# Altium PCB LimeSDR_1v2s.PcbDoc (part 5 of 9)
Units mm, origin at the board's own origin, x right, y up, seen from the top; angles counter-clockwise.
Board outline 100 x 60 mm, 12 copper layers (Top, L2, L3, L4, L5, L6, L7, L8, L9, L10, L11, Bottom), stack 1.58 mm thick; 795 components, 584 nets, 3854 pads, 2079 vias.
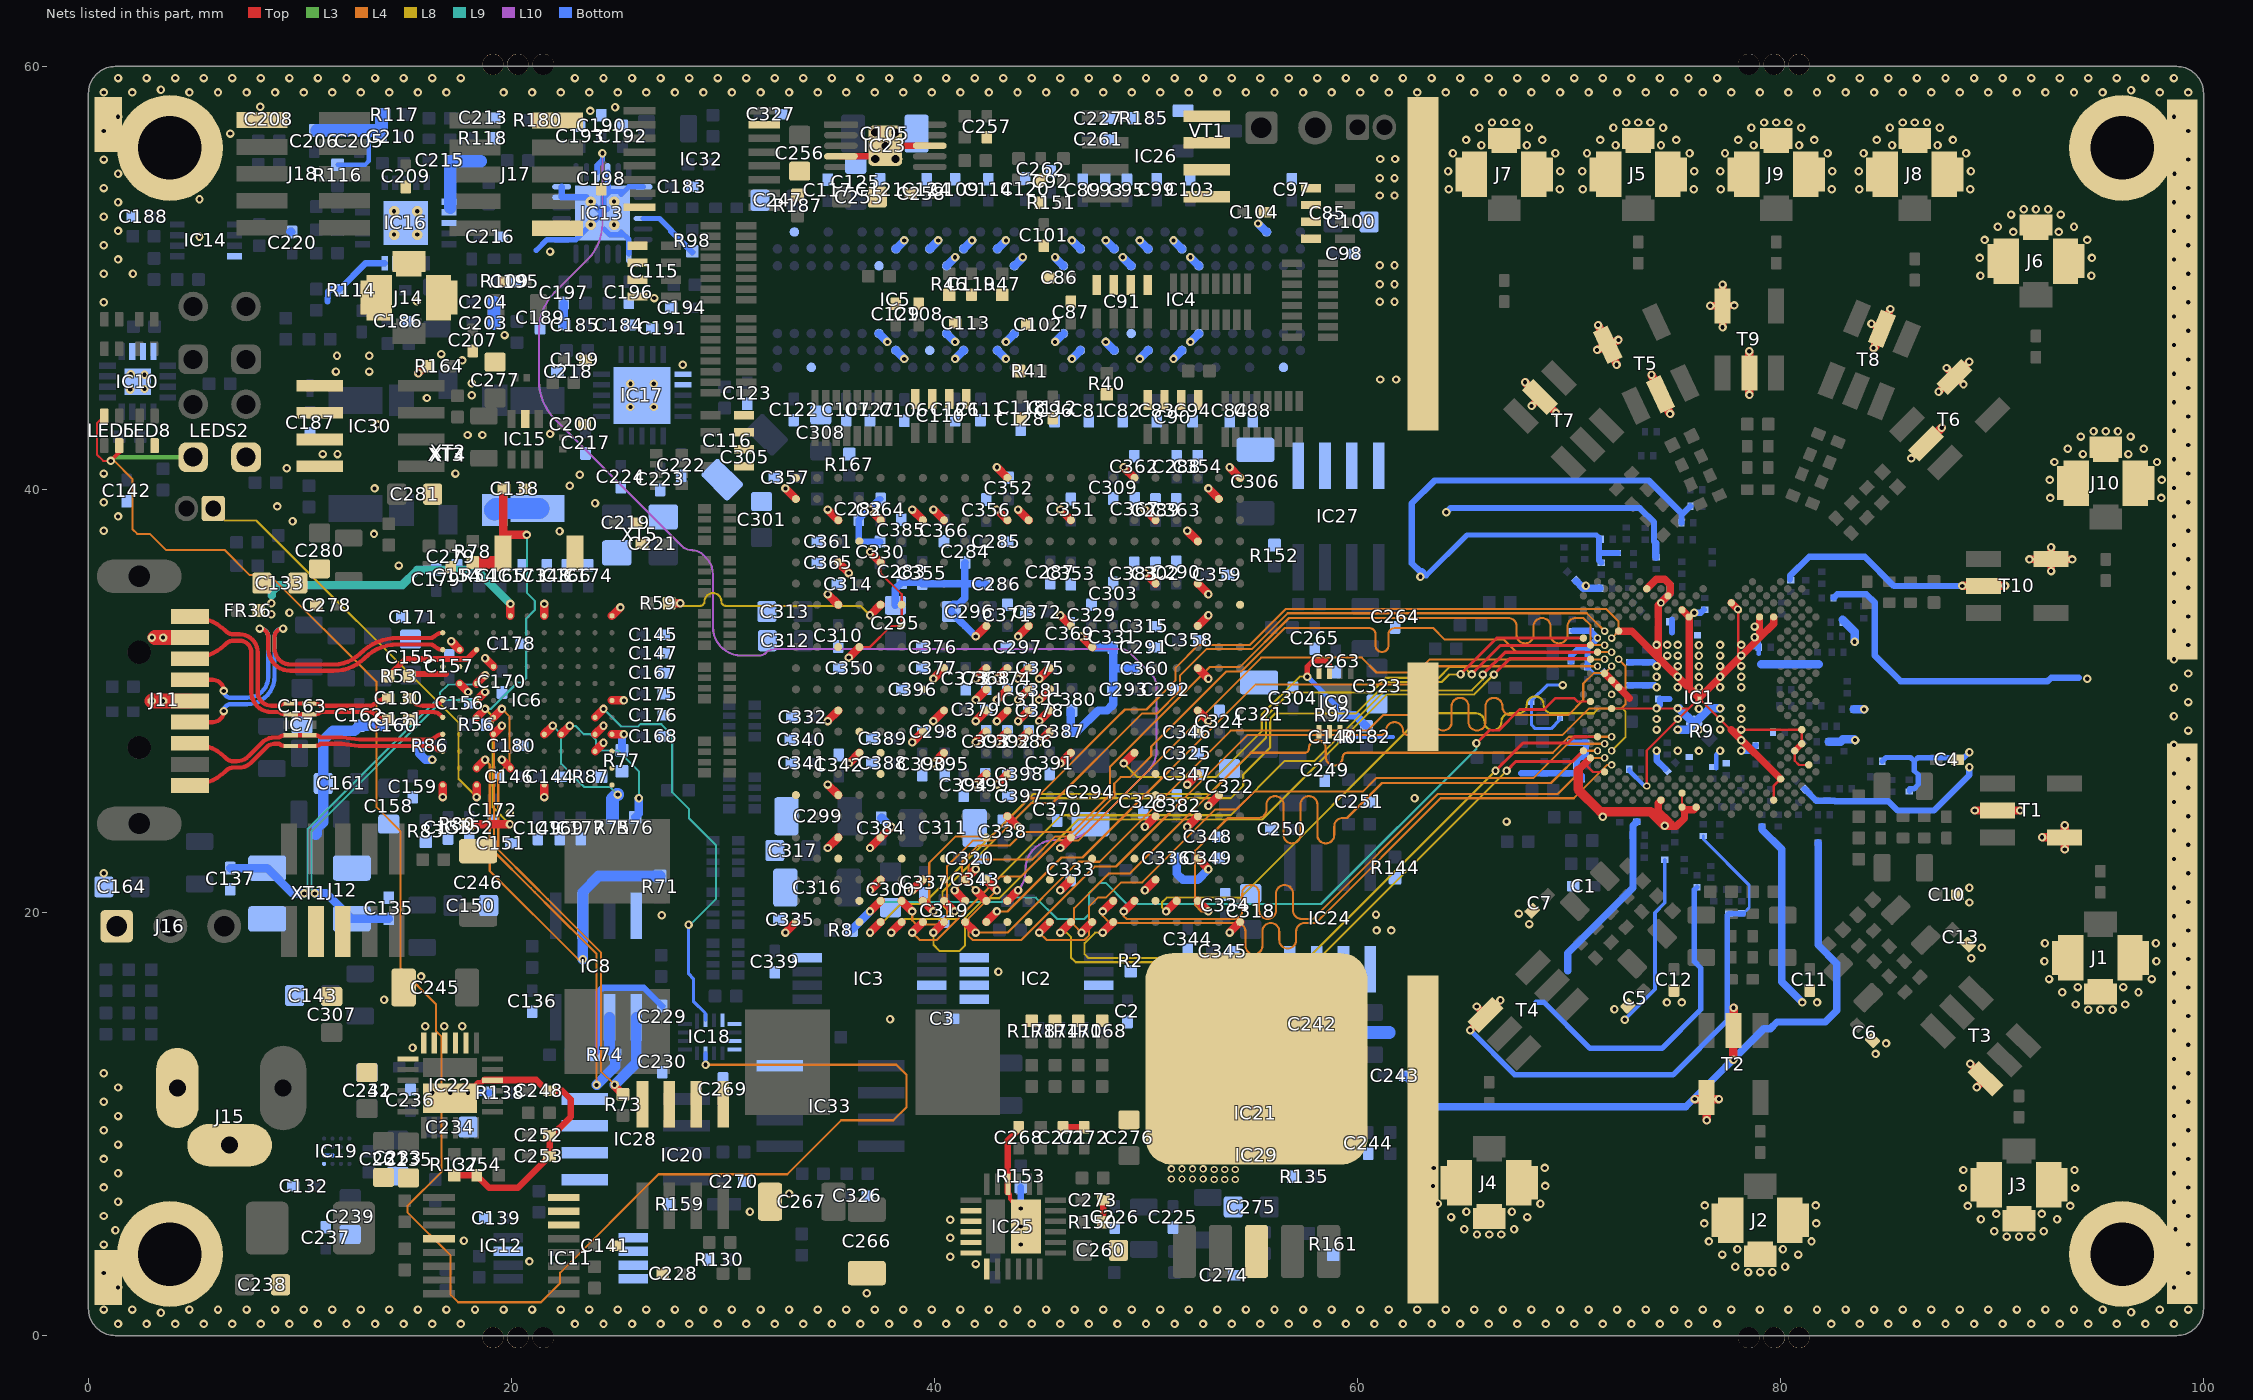
[diagram p15: the nets of this part, all layers, seen from the top]

## Via types
v1: diameter 0.4, hole 0.2, Top to Bottom, tented both sides, 1231 vias
v2: diameter 0.4, hole 0.2, Top to Bottom, tented top, 420 vias
v3: diameter 0.4, hole 0.2, Top to Bottom, 281 vias
v4: diameter 0.35, hole 0.2, Top to Bottom, tented top, 86 vias
v5: diameter 0.35, hole 0.2, Top to Bottom, tented both sides, 41 vias
v6: diameter 0.5, hole 0.2, Top to Bottom, tented both sides, 20 vias

## Nets (pads, with @x,y where several pads share a name; then routed paths per layer and width w, separated by ;. In a path a pad name is that pad's centre, name@x,y a point inside that pad or via, vN(x,y) a via of type N, cw(c..) or ccw(c..) an arc to the next point about the centre after c; other vN are vias at no path point) (continued)
FX3_LED_R: IC18.11 LED5.2 LED5.3 LEDS2.K1 | length 95.9
  Top w0.1: LED5.2@0.75,43.475 0.4,43.125 0.4,41.65 0.7,41.35 v1(1.05,41.35)
  Top w0.15: LEDS2.K1@4.475,42 LEDS2.K1@4.95,41.525
  Top w0.2: v1(1.05,41.35) 1.45,41.75 LED5.3@1.45,42.075
  L3 w0.2: v1(1.05,41.35) 1.225,41.525 LEDS2.K1@4.95,41.525
  L4 w0.1: v1(1.05,41.35) 1.22,41.35 2.075,40.495 2.075,38.132 2.307,37.9 2.9,37.9 3.658,37.142 6.433,37.142 7.625,35.95 8.575,35.95 13.625,30.9 13.625,24.97 14.75,23.845 14.75,17.35 16.425,15.675 16.425,14.4 16.7,14.125 16.7,7.745 15.075,6.12 15.075,5.83 17.125,3.78 17.125,1.925 17.475,1.575 21.395,1.575 22.3,2.48 22.3,2.975 26.95,7.625 33.041,7.625 35.591,10.175 38.058,10.175 38.675,10.792 38.675,12.328 38.203,12.8 v1(29.175,12.8)
  Bottom w0.2: v1(29.175,12.8) IC18.11@29.175,13.35
FX3_LED_R_LS: IC6.K5 IC18.2 | length 19.7
  Top w0.4: IC6.K5@23.95,29.225 v2(24.35,29.625)
  L9 w0.1: v2(24.35,29.625) 25.175,28.8 25.992,28.8 26.092,28.9 27.083,28.9 27.6,28.383 27.6,25.682 28.4,24.882 28.4,24.445 29.675,23.17 29.675,20.65 28.45,19.425 v1(28.375,19.425)
  Bottom w0.15: v1(28.375,19.425) 28.375,17.1 28.6,16.875 28.6,15.804 29.175,15.229 IC18.2@29.175,14.9
FX3_OTG_ID: IC6.C9 R53.1 | length 4.7
  Top w0.27: R53.1@14.175,31.175 14.985,31.985 17.91,31.985 IC6.C9@18.35,32.425
FX3_PCLK: IC31.T18 R59.1 | length 11.1
  Top w0.4: R59.1@27.45,34.625 v1(27.975,34.625) ; v2(36.95,34.05) IC31.T18@37.45,34.55
  L8 w0.1: v1(27.975,34.625) 28.1,34.5 28.725,34.5 28.925,34.5 ccw(c28.925,34.7) 29.125,34.7 cw(c29.525,34.7) 29.525,35.1 cw(c29.525,34.7) 29.925,34.7 ccw(c30.125,34.7) 30.125,34.5 30.725,34.5 30.9,34.5 36.5,34.5 v2(36.95,34.05)
FX3_PMODE0: IC6.G4 R75.2 | length 7
  Top w0.4: IC6.G4@21.55,28.425 v2(21.95,28.825)
  L9 w0.1: v2(21.95,28.825) 22.35,28.425 22.35,27.025 23.45,25.925 24.675,25.925 v1(25.025,25.575)
  Bottom w0.6: R75.2@24.775,24.5 24.775,25.375 24.975,25.575 v1(25.025,25.575)
FX3_PMODE1: IC6.H4 R76.2 | length 7.1
  Top w0.4: IC6.H4@22.35,28.425 v2(22.75,28.825)
  L9 w0.1: v2(22.75,28.825) 23.025,28.825 23.425,28.425 23.725,28.425 24,28.15 24,27.88 24.23,27.65 25.05,27.65 26.025,26.675 v2(26.025,25.4)
  Bottom w0.4: R76.2@25.85,24.5 26.025,24.675 v2(26.025,25.4)
FX3_PMODE2: IC6.L4 R77.2 | length 1.4
  Top w0.4: IC6.L4@24.75,28.425 v2(25.316,28.425)
  Bottom w0.4: R77.2@25.225,27.675 25.225,28.334 v2(25.316,28.425)
FX3_RST: C138.1 IC6.C5 R78.1 R80.2 SW1.2 | length 23.4
  Top w0.4: R80.2@17.925,24.175 v1(19.925,24.175) ; IC6.C5@18.35,29.225 v2(18.75,29.625) ; SW1.2@19.6,36.975 SW1.2@19.6,37.675 ; C138.1@19.675,40.05 19.6,39.975 SW1.2@19.6,37.675 ; v1(20.725,37.85) 19.775,37.85 SW1.2@19.6,37.675
  Top w0.6: R78.1@18.175,36.55 19.175,36.55
  L8 w0.1: v2(18.75,29.625) 19.1,29.275 19.1,25 v1(19.925,24.175)
  L9 w0.1: v2(18.75,29.625) 19.033,29.625 20.283,30.875 20.495,30.875 20.7,31.08 20.7,33.9 21.1,34.3 21.1,34.736 20.725,35.111 v1(20.725,37.85)
FX3_SPI_FLASH_SS: IC6.C1 J13.1 | length 20.2
  Top w0.4: v2(18.35,25.459) IC6.C1@18.35,26.025
  L8 w0.1: J13.1@5.9,39.1 6.475,38.525 7.945,38.525 17.5,28.97 17.5,26.309 v2(18.35,25.459)
FX3_SPI_MISO: IC6.C2 IC8.2 R71.1 | length 19.2
  Top w0.4: IC6.C2@18.35,26.825 v2(18.75,27.225)
  L4 w0.1: v2(18.75,27.225) 18.975,27 18.975,21.963 23.153,17.785 v1(23.365,17.785)
  Bottom w0.5: v1(23.365,17.785) IC8.2@23.365,19.85 23.365,20.965 24.125,21.725 R71.1@27.025,21.725
FX3_SPI_MOSI: IC6.D5 IC8.5 R73.1 | length 25.2
  Top w0.4: IC6.D5@19.15,29.225 v2(19.55,29.625) ; v1(24.874,11.851) 24.874,11.801 R73.1@25.275,11.4
  L4 w0.1: v2(19.55,29.625) 19.9,29.275 19.9,27.08 19.375,26.555 19.375,22.967 20.992,21.35 ; 20.992,21.35 21.3,21.042 21.367,20.975 21.675,20.667 21.717,20.625 ; 21.717,20.625 24.225,18.117 24.225,12.5 v1(24.874,11.851)
  Bottom w0.5: v1(24.874,11.851) 25.905,12.881 IC8.5@25.905,15.05
FX3_SPI_SCLK: IC6.D4 IC8.6 R74.2 | length 23.4
  Top w0.4: IC6.D4@19.15,28.425 v2(19.55,28.825)
  L4 w0.1: v2(19.55,28.825) 19.175,28.45 19.175,22.884 20.909,21.15 21.1,20.96 21.284,20.775 ; 21.285,20.775 21.475,20.585 ; 21.475,20.584 21.634,20.425 24.025,18.035 v1(24.025,11.85)
  Bottom w0.5: v1(24.025,11.85) 24.9,12.725 R74.2@24.9,13.275 24.635,13.54 IC8.6@24.635,15.05
FX3_USB_D_N: IC6.A10 J11.2 | length 17.7
  Top w0.2: J11.2@4.8,29 5.875,29 ccw(c5.875,29.525) v1(6.4,29.525) ; v1(9.2,33.425) ccw(c9.2,33.025) 8.8,33.025 8.8,32.475 ccw(c9.55,32.475) 9.55,31.725 11.601,31.725 ccw(c11.601,33.474) 12.838,32.237 cw(c14.619,30.456) 14.619,32.975 16.146,32.975 ccw(c16.146,33.285) 16.366,33.066 cw(c16.75,32.682) IC6.A10@16.75,33.225
  Bottom w0.2: v1(6.4,29.525) cw(c6.725,29.525) 6.725,29.85 7.5,29.85 ccw(c7.5,31.15) 8.8,31.15 8.8,33.05 cw(c9.175,33.05) v1@9.175,33.425
FX3_USB_D_P: IC6.A9 J11.3 | length 17.7
  Top w0.2: J11.3@4.8,31 5.875,31 cw(c5.875,30.475) v1(6.4,30.475) ; v1(8.1,33.425) cw(c8.1,33.025) 8.5,33.025 8.5,32.475 ccw(c9.55,32.475) 9.55,31.425 11.601,31.425 ccw(c11.601,33.474) 13.05,32.025 cw(c14.619,30.456) 14.619,32.675 16.146,32.675 cw(c16.146,32.365) 16.366,32.584 ccw(c16.75,32.968) IC6.A9@16.75,32.425
  Bottom w0.2: v1(6.4,30.475) ccw(c6.725,30.475) 6.725,30.15 7.5,30.15 ccw(c7.5,31.15) 8.5,31.15 8.5,33.05 ccw(c8.125,33.05) v1@8.125,33.425
FX3_USB_SSRX_N: IC6.A4 IC7.4 IC7.7 J11.8 | length 12.7
  Top w0.2: J11.8@4.8,28 cw(c4.8,25.586) 6.507,27.293 ccw(c6.852,27.638) 6.852,27.15 7,27.15 ccw(c7,27.936) 7.556,27.38 8.204,28.028 cw(c8.8,27.432) 8.8,28.275 9.025,28.275 cw(c9.267,28.034) 9.267,28.375 IC7.4@9.563,28.375 IC7.7@10.437,28.375 10.733,28.375 cw(c10.733,28.034) 10.974,28.275 12,28.275 12.8,28.175 15.151,28.175 16.146,28.175 ccw(c16.146,28.485) 16.366,28.266 cw(c16.75,27.882) IC6.A4@16.75,28.425
FX3_USB_SSRX_P: IC6.A3 IC7.5 IC7.6 J11.9 | length 12.7
  Top w0.2: J11.9@4.8,26 ccw(c4.8,28.414) 6.507,26.707 cw(c6.852,26.362) 6.852,26.85 7.124,26.85 ccw(c7.124,27.636) 7.68,27.08 8.416,27.816 cw(c8.8,27.432) 8.8,27.975 9.025,27.975 ccw(c9.267,28.216) 9.267,27.875 IC7.5@9.563,27.875 10,27.875 IC7.6@10.437,27.875 10.733,27.875 ccw(c10.733,28.216) 10.974,27.975 11.975,27.975 12.775,27.875 ; 12.8,27.875 16.146,27.875 cw(c16.146,27.565) 16.366,27.784 ccw(c16.75,28.168) IC6.A3@16.75,27.625
FX3_USB_SSTX_IC_N: C130.2 IC6.A6 | length 1.8
  Top w0.2: C130.2@15.175,30.125 C130.2@15.331,29.969 ; C130.2@15.331,29.969 ccw(c15.8,30.439) 15.8,29.775 16.288,29.775 ccw(c16.288,30.287) 16.65,29.925 IC6.A6@16.75,30.025
FX3_USB_SSTX_IC_P: C131.1 IC6.A5 | length 1.8
  Top w0.2: C131.1@15.175,29.125 15.331,29.281 cw(c15.8,28.811) 15.8,29.475 16.288,29.475 cw(c16.288,28.963) 16.65,29.325 IC6.A5@16.75,29.225
FX3_USB_SSTX_N: C130.1 IC7.1 IC7.10 J11.5 | length 12.5
  Top w0.2: J11.5@4.8,34 cw(c4.8,31.586) 6.507,33.293 ccw(c6.852,33.638) 6.852,33.15 7.15,33.15 cw(c7.15,32.3) 8,32.3 8,30.427 ccw(c8.652,30.427) 8.652,29.775 9.025,29.775 cw(c9.267,29.534) 9.267,29.875 IC7.1@9.563,29.875 IC7.10@10.437,29.875 10.733,29.875 cw(c10.733,29.534) 10.974,29.775 13.33,29.775 ccw(c13.33,30.004) 13.492,29.842 cw(c14.175,29.159) C130.1@14.175,30.125
FX3_USB_SSTX_P: C131.2 IC7.2 IC7.9 J11.6 | length 12.5
  Top w0.2: J11.6@4.8,32 ccw(c4.8,34.414) 6.507,32.707 cw(c6.852,32.362) 6.852,32.85 7.15,32.85 cw(c7.15,32.3) 7.7,32.3 7.7,30.427 ccw(c8.652,30.427) 8.652,29.475 9.025,29.475 ccw(c9.267,29.716) 9.267,29.375 IC7.2@9.563,29.375 IC7.9@10.437,29.375 10.733,29.375 ccw(c10.733,29.716) 10.975,29.475 13.33,29.475 cw(c13.33,29.246) 13.492,29.408 ccw(c14.175,30.091) C131.2@14.175,29.125
FX3_VBUS: C133.2 FR36.2 IC6.E11 | length 13.1
  Top w0.4: IC6.E11@19.95,34.025 v2(19.95,34.591)
  L9 w0.4: 8.669,34.987 8.669,35.169 8.975,35.475 14.825,35.475 15.55,36.2 18.341,36.2 v2(19.95,34.591)
  other v1: 8.65,34.1 8.65,34.625
FX3_XTAL_N: C137.2 IC6.C7 XT1.3 | length 19.2
  Top w0.4: IC6.C7@18.35,30.825 v2(18.75,31.225)
  L9 w0.1: v1(10.2,20.9) 10.35,21.05 10.35,23.926 16.615,30.191 16.615,30.385 17.005,30.775 18.3,30.775 v2(18.75,31.225)
  Bottom w0.4: C137.2@6.7,22.1 XT1.3@8.45,22.1 9.65,20.9 v1(10.2,20.9)
FX3_XTAL_P: C135.2 IC6.C6 XT1.1 | length 18.5
  Top w0.4: IC6.C6@18.35,30.025 v2(18.75,30.425)
  L9 w0.1: v1(10.7,20.9) 10.55,21.05 10.55,23.844 16.756,30.05 18.375,30.05 v2(18.75,30.425)
  Bottom w0.4: v1(10.7,20.9) 11.25,20.9 XT1.1@12.45,19.7 C135.2@14.2,19.7
GND: C1.2 C2.1 C3.1 C4.1 C5.1 C6.1 C7.1 C10.1 C11.1 C12.1 C13.1 C22.2 C23.2 C24.2 C25.2 C26.2 C27.2 C28.2 C29.2 C30.2 C31.2 C32.2 C33.2 C34.2 C35.2 C36.2 C37.2 C38.2 C39.2 C40.2 C41.2 C42.2 C43.2 C44.2 C45.2 C46.2 C47.2 C48.2 C49.2 C50.2 C51.2 C52.2 C53.2 C54.2 C55.2 C56.2 C57.2 C58.1 C59.2 C60.2 C61.2 C62.2 C63.2 C64.2 C65.2 C66.2 C67.2 C68.2 C69.2 C70.2 C71.2 C72.2 C73.2 C74.2 C75.2 C76.2 C77.2 C78.2 C79.2 C80.2 C81.2 C82.2 C83.2 C84.2 C85.5 C85.6 C85.7 C85.8 C86.2 C87.2 C88.2 C89.2 C90.5 C90.6 C90.7 C90.8 C91.5 C91.6 C91.7 C91.8 C92.2 C93.2 C94.2 C95.2 C96.2 C97.2 C98.2 C99.2 C100.1 C101.1 C102.1 C103.2 C104.2 C105.1 C106.2 C107.2 C108.2 C109.2 C110.5 C110.6 C110.7 C110.8 C111.2 C112.2 C113.2 C114.2 C115.5 C115.6 C115.7 C115.8 C116.5 C116.6 C116.7 C116.8 C117.2 C118.2 C119.2 C120.2 C121.2 C122.2 C123.2 C124.2 C125.1 C126.1 C127.1 C128.2 C129.2 C132.2 C133.1 C135.1 C136.2 C137.1 C138.2 C139.2 C140.2 C141.2 C142.2 C143.1 C144.2 C145.2 C146.1 C147.1 C148.2 C149.1 C150.1 C151.2 C152.1 C153.2 C154.1 C155.1 C156.1 C157.2 C158.1 C159.2 C160.2 C161.1 C162.2 C163.1 C164.1 C165.2 C166.2 C167.2 C168.2 C169.2 C170.2 C171.2 C172.2 C173.1 C174.1 C175.1 C176.1 C177.1 C178.1 C179.1 C180.1 C183.1 C184.1 C185.1 C186.1 C187.1 C188.1 C189.1 C190.1 C191.1 C192.1 C193.1 C194.1 C195.1 C196.1 C197.1 C198.1 C199.1 C200.2 C203.1 C204.1 C205.2 C206.2 C207.2 C208.2 C209.1 C210.2 C213.1 C215.1 C216.2 C217.2 C218.2 C219.1 C220.1 C221.1 C222.2 C223.2 C224.2 C225.1 C226.2 C227.1 C228.1 C229.1 C230.1 C231.1 C232.1 C233.1 C234.1 C235.1 C236.2 C237.2 C238.1 C239.1 C241.1 C242.1 C243.1 C244.1 C245.1 C246.1 C247.1 C248.2 C249.1 C250.1 C251.1 C252.2 C253.2 C254.2 C255.1 C256.1 C257.1 C258.2 C260.1 C261.1 C262.1 C263.1 C264.1 C265.1 C266.1 C267.1 C268.2 C269.1 C270.1 C271.2 C272.2 C273.2 C274.1 C275.1 C276.1 C277.1 C278.1 C279.1 C280.1 C281.1 C282.2 C283.2 C284.2 C285.2 C286.2 C287.2 C288.2 C289.2 C290.2 C291.2 C292.2 C293.2 C294.1 C295.1 C296.1 C297.2 C298.2 C299.1 C300.1 C301.1 C302.2 C303.2 C304.2 C305.1 C306.1 C307.1 C308.1 C309.1 C310.2 C311.1 C312.1 C313.1 C314.1 C315.2 C316.1 C317.1 C318.1 C319.1 C320.2 C321.1 C322.1 C323.1 C324.1 C325.2 C326.2 C327.2 C328.2 C329.2 C330.2 C331.2 C332.2 C333.2 C334.2 C335.2 C336.2 C337.2 C338.2 C339.2 C340.2 C341.2 C342.2 C343.2 C344.2 C345.2 C346.2 C347.2 C348.2 C349.2 C350.2 C351.2 C352.2 C353.2 C354.2 C355.2 C356.2 C357.2 C358.2 C359.2 C360.2 C361.2 C362.2 C363.2 C364.2 C365.2 C366.2 C367.2 C368.2 C369.2 C370.2 C371.2 C372.2 C373.2 C374.2 C375.2 C376.2 C377.2 C378.2 C379.2 C380.2 C381.2 C382.2 C383.2 C384.2 C385.2 C386.2 C387.2 C388.2 C389.2 C390.2 C391.2 C392.2 C393.2 C394.2 C395.2 C396.2 C397.2 C398.2 C399.2 IC1.AA31 IC1.AF32 IC1.AG29 IC1.AJ7 IC1.AJ9 IC1.AJ19 IC1.AK12 IC1.AK20 IC1.AL13 IC1.AL23 IC1.AM22 IC1.AN25 IC1.B18 IC1.B20 IC1.C7 IC1.C23 IC1.D20 IC1.E25 IC1.F6 IC1.G31 IC1.GND IC1.H2 IC1.J33 IC1.K4 IC1.L3 IC1.N3 IC1.T30 IC1.V30 IC1.W29 IC1.Y30 IC2.1 IC2.2 IC2.3 IC2.4 IC2.7 IC3.4 IC3.7 IC4.A3 IC4.A7 IC4.B2 IC4.B8 IC4.D2 IC4.D8 IC4.E3 IC4.E7 IC4.F2 IC4.F8 IC4.H2 IC4.H8 IC4.J3 IC4.J7 IC4.N1 IC4.P9 IC5.A3 IC5.A7 IC5.B2 IC5.B8 IC5.D2 IC5.D8 IC5.E3 IC5.E7 IC5.F2 IC5.F8 IC5.H2 IC5.H8 IC5.J3 IC5.J7 IC5.N1 IC5.P9 IC6.A1 IC6.A8 IC6.B7 IC6.B8 IC6.B9 IC6.D8 IC6.E2 IC6.G1 IC6.G11 IC6.K3 IC6.K4 IC6.L1 IC6.L2 IC6.L3 IC6.L6 IC6.L11 IC8.4 IC9.4 IC9.5 IC9.6 IC9.7 IC10.6 IC10.7 IC10.8 IC10.17 IC11.1 IC11.2 IC11.3 IC11.4 IC11.7 IC12.4 IC12.14 IC12.15 IC12.16 IC13.1 IC13.7 IC13.11 IC13.12 IC13.16 IC13.19 IC13.22 IC13.25 IC14.4 IC15.5 IC16.1 IC16.2 IC16.3 IC16.9 IC16.10 IC16.21 IC17.6 IC17.7 IC17.21 IC18.4 IC18.5 IC18.7 IC18.8 IC19.C2 IC19.D1 IC19.D2 IC19.D3 IC20.5 IC20.6 IC20.7 IC20.8 IC21.5 IC21.6 IC21.7 IC21.8 IC22.4 IC22.8 IC22.9 IC22.10 IC22.11 IC22.12 IC22.13 IC22.25 IC23.4 IC23.8 IC23.11 IC24.5 IC24.6 IC24.7 IC24.8 IC25.4 IC25.8 IC25.9 IC25.10 IC25.11 IC25.12 IC25.13 IC25.25 IC26.5 IC26.6 IC26.7 IC26.8 IC27.5 IC27.6 IC27.7 IC27.8 IC28.5 IC28.6 IC28.7 IC28.8 IC29.3 IC30.5 IC30.6 IC30.7 IC30.8 IC31.A1 IC31.A11 IC31.A12 IC31.A19 IC31.A22 IC31.AA2 IC31.AA22 IC31.AB1 IC31.AB6 IC31.AB12 IC31.AB22 IC31.B5 IC31.B19 IC31.C5 IC31.C9 IC31.C10 IC31.C11 IC31.C12 IC31.C14 IC31.C15 IC31.C16 IC31.C18 IC31.D3 IC31.D6 IC31.D8 IC31.D15 IC31.D17 IC31.D20 IC31.E9 IC31.E13 IC31.E18 IC31.E20 IC31.F3 IC31.F5 IC31.F12 IC31.G2 IC31.G5 IC31.G20 IC31.G22 IC31.H3 IC31.H5 IC31.H12 IC31.H13 IC31.H18 IC31.J9 IC31.J15 IC31.J18 IC31.J19 IC31.K3 IC31.K10 IC31.K11 IC31.K12 IC31.K13 IC31.K16 IC31.K19 IC31.L3 IC31.L10 IC31.L11 IC31.L12 IC31.L13 IC31.L15 IC31.L20 IC31.M10 IC31.M11 IC31.M12 IC31.M13 IC31.M16 IC31.N3 IC31.N10 IC31.N11 IC31.N12 IC31.N13 IC31.N15 IC31.P8 IC31.P19 IC31.P20 IC31.R3 IC31.R9 IC31.R11 IC31.R13 IC31.R17 IC31.T1 IC31.T17 IC31.T20 IC31.U3 IC31.U5 IC31.V18 IC31.V20 IC31.W3 IC31.W19 IC31.Y5 IC31.Y9 IC31.Y11 IC31.Y12 IC31.Y15 IC31.Y16 IC31.Y18 IC31.Y20 IC32.8 IC32.15 IC33.4 J1.2 J2.2 J3.2 J4.2 J5.2 J6.2 J7.2 J8.2 J9.2 J10.2 J11.4 J11.7 J12.3 J12.5 J14.2 J15.2 J15.3 J16.1 J17.2 J17.10 J18.1 LED8.3 LEDS2.K2 MECH1.MH1 MECH2.MH1 MECH3.MH1 MECH4.MH1 NT1.2 pad.2 pad.3 pad.4 pad.5 pad.16 R2.1 R9.2 R40.1 R41.1 R46.1 R47.1 R53.2 R54.1 R56.1 R74.1 R77.1 R83.1 R86.1 R87.1 R98.1 R109.1 R114.1 R116.2 R117.2 R118.1 R130.1 R135.1 R137.2 R138.1 R144.2 R150.2 R151.1 R152.1 R153.2 R159.1 R161.2 R164.1 R167.1 R168.2 R170.2 R174.2 R178.2 R180.2 R185.2 R187.2 SW1.1 T1.2 T1.6 T2.2 T2.6 T3.3 T4.3 T5.2 T5.4 T6.2 T6.4 T7.2 T8.2 T9.2 T9.4 T10.2 T10.4 VT1.S XT1.2 XT1.4 XT2.2 XT3.2 XT4.2 XT5.2 XT5.4 | length 507
  Top w0.1: IC31.P19@36.45,32.55 36.95,32.55 37.95,33.55 IC31.R17@38.45,33.55 IC31.T17@38.45,34.55 38.45,35.045 37.45,36.045 IC31.V18@37.45,36.55
  Top w0.11: 70.876,27.173 70.876,26.899 71.129,26.646 IC1.G31@71.681,26.646 ; IC1.T30@72.014,29.643 75.661,29.643 ; v4(73.679,25.98) 73.679,27.661 75.154,29.136 75.661,29.643 ; IC1.B20@75.344,24.981 IC1.D20@75.344,25.647 ; 78.008,31.99 IC1.AK12@78.008,34.305 ; IC1.C7@79.673,25.314 79.673,25.98 IC1.F6@80.006,26.313 ; IC1.K4@80.672,27.645 80.672,27.179 80.874,26.976 81.335,26.976 IC1.H2@81.338,26.979 ; IC1.L3@81.002,27.978 IC1.N3@81.002,28.545 ; IC1.N3@81.005,28.644 77.675,28.644 77.63,28.644 76.146,30.128 75.661,29.643
  Top w0.2: R164.1@15.925,45.825 R164.1@16.075,45.825 ; IC22.25@17.1,11.225 17.7,11.825 18.25,11.825 18.4,11.975 18.625,11.975 IC22.4@18.725,12.075 ; IC25.4@43.475,6.775 43.575,6.675 43.575,6.45 43.725,6.3 43.725,5.75 IC25.25@44.325,5.15
  Top w0.3: R53.2@15.175,31.275 16.9,31.275 ; IC23.4@35.575,55.75 37.175,55.75 ccw(c37.175,56.25) IC23.11@37.675,56.25 IC23.8@39.775,56.25 ; 70.876,27.173 IC1.J33@71.015,27.312 ; IC1.K4@80.672,27.645 IC1.L3@81.005,27.978
  Top w0.309: R137.2@17.3,7.575 C254.2@18.35,7.575 18.95,6.975 20.3,6.975 C253.2@21.8,8.475 21.8,9.332 22.805,10.337 22.804,11.171 22.4,11.575 C248.2@21.8,11.575 21.681,11.575 21.176,12.08 IC22.4@18.725,12.08 ; IC25.4@43.47,6.775 43.471,9.226 43.975,9.731 C268.2@43.975,9.85 ; C271.2@46.218,9.85 C272.2@47.075,9.85 ; R150.2@47.975,5.35 C273.2@47.975,6.4
  Top w0.35: v1(65.334,14.431) T4.3@66.047,15.138 ; v1(65.639,15.556) T4.3@66.047,15.149 ; T4.3@66.052,15.144 T4.3@66.047,15.149 ; v1(66.759,15.856) T4.3@66.047,15.149 ; v1(68.233,43.953) T7.2@68.449,44.169 ; 70.426,26.723 70.876,27.173 ; IC1.AA31@71.681,31.308 IC1.Y30@72.014,30.975 IC1.W29@72.347,30.642 72.861,30.128 ; IC1.AG29@72.347,33.306 72.968,33.306 74.228,32.046 ; IC1.AN25@73.679,35.304 74.129,35.754 74.531,35.754 74.795,35.491 74.795,35.088 v4(74.345,34.638) 74.228,34.521 74.228,32.046 ; 73.875,24.769 73.875,24.675 74.475,24.075 75.074,24.075 75.461,24.462 IC1.B20@75.461,24.864 ; IC1.C23@74.345,25.314 74.36,25.299 74.228,25.168 74.228,24.795 74.711,24.311 74.825,24.198 ; IC1.AK20@75.344,34.305 IC1.AJ19@75.677,33.972 75.677,30.597 ; IC1.B18@76.01,24.981 75.893,24.864 IC1.B20@75.461,24.864 ; v1(76.68,48.682) T9.4@77.256,48.682 ; v1(77.26,47.671) T9.4@77.264,48.675 ; v1(77.26,49.686) T9.4@77.256,48.682 ; 77.675,28.644 IC1.F6@80.006,26.313 ; IC1.AL13@77.675,34.638 IC1.AK12@78.008,34.305 ; v1(77.808,48.7) T9.4@77.256,48.682 ; IC1.AJ9@79.007,33.972 79.007,32.989 ; IC1.AJ7@79.673,33.972 79.673,33.655 79.007,32.989 ; v1(84.298,47.833) T8.2@84.796,47.599 ; T8.2@84.964,48.036 v1(85.198,48.533) ; v1(87.476,44.618) T6.4@88.173,45.339 ; v1@87.93,45.665 T6.4@88.256,45.351 ; T6.4@88.229,45.323 T6.4@88.256,45.351 ; v1(88.651,44.968) T6.4@88.256,45.351 ; v1(88.926,46.043) T6.4@88.256,45.351 ; v1(88.974,12.853) 89.681,12.141 v1(89.274,11.733) ; v1(91.769,36.694) T10.4@92.794,36.694 ; v1(92.794,36.144) T10.4@92.794,36.694 ; v1(92.794,37.269) T10.4@92.794,36.694 ; v1(93.794,36.694) T10.4@92.794,36.694 ; 74.228,32.046 75.677,30.597 ; IC1.B20@75.461,24.864 75.461,24.894 75.374,24.981 75.374,24.922 75.431,24.864 IC1.B20@75.461,24.864 ; 75.677,30.597 76.146,30.128 78.008,31.99 78.154,32.136 79.007,32.989
  Top w0.4: v1(15.6,45.5) R164.1@15.925,45.825 ; v1(16.75,25.459) IC6.A1@16.75,26.025 ; v1(17.15,32.825) IC6.B9@17.55,32.425 ; IC6.B7@17.55,30.825 v1(17.95,30.425) ; v1(18.75,32.025) IC6.D8@19.15,31.625 ; v1(19.55,27.225) IC6.E2@19.95,26.825 ; v1(21.55,25.459) IC6.G1@21.55,26.025 ; IC6.G11@21.55,34.025 v1(21.55,34.591) ; IC6.K3@23.95,27.625 v1(24.35,28.025) ; IC6.K4@23.95,28.425 v1(24.35,28.825) ; IC6.L6@24.75,30.025 v1(25.316,30.025) ; IC6.L11@24.75,34.025 v1(25.15,34.425) ; v1(32.95,19.05) IC31.A22@33.45,19.55 ; v1(32.95,40.05) IC31.AA22@33.45,39.55 ; v1(34.95,23.05) IC31.E20@35.45,23.55 ; v1(34.95,26.05) IC31.G20@35.45,25.55 ; v1(34.95,29.05) IC31.L20@35.45,29.55 ; v1(34.95,35.05) IC31.T20@35.45,34.55 ; v1(34.95,39.05) IC31.Y20@35.45,38.55 ; IC31.V20@35.45,36.55 v1(35.95,36.05) ; v1(35.95,27.05) IC31.J19@36.45,27.55 ; v1(35.95,32.05) IC31.P19@36.45,32.55 ; v1(36.95,21.05) IC31.C18@37.45,21.55 ; v2(36.95,23.05) IC31.E18@37.45,23.55 v2(37.95,24.05) ; v2(36.95,37.05) IC31.V18@37.45,36.55 ; v1(36.95,39.05) IC31.Y18@37.45,38.55 ; v1(38.95,21.05) IC31.C16@39.45,21.55 ; v1(38.95,28.05) IC31.K16@39.45,28.55 ; v1(38.95,39.05) IC31.Y16@39.45,38.55 ; v1(39.95,27.05) IC31.J15@40.45,27.55 ; v1(39.95,29.05) IC31.L15@40.45,29.55 ; v1(39.95,31.05) IC31.N15@40.45,31.55 ; v1(39.95,39.05) IC31.Y15@40.45,38.55 ; IC31.C14@41.45,21.55 v1(41.95,22.05) ; v1(41.95,26.05) IC31.H13@42.45,26.55 ; v1(41.95,28.05) IC31.K13@42.45,28.55 ; v1(41.95,29.05) IC31.L13@42.45,29.55 ; v1(41.95,30.05) IC31.M13@42.45,30.55 ; v1(41.95,31.05) IC31.N13@42.45,31.55 ; v1(41.95,33.05) IC31.R13@42.45,33.55 ; v1(42.95,26.05) IC31.H12@43.45,26.55 ; v1(42.95,28.05) IC31.K12@43.45,28.55 ; v1(42.95,29.05) IC31.L12@43.45,29.55 ; v1(42.95,30.05) IC31.M12@43.45,30.55 ; v1(42.95,31.05) IC31.N12@43.45,31.55 ; v1(42.95,39.05) IC31.Y12@43.45,38.55 ; v1(42.95,41.05) IC31.AB12@43.45,40.55 ; IC31.F12@43.45,24.55 v1(43.95,24.05) ; v1(43.95,28.05) IC31.K11@44.45,28.55 ; v1(43.95,29.05) IC31.L11@44.45,29.55 ; v1(43.95,30.05) IC31.M11@44.45,30.55 ; v1(43.95,31.05) IC31.N11@44.45,31.55 ; v1(43.95,33.05) IC31.R11@44.45,33.55 ; v1(43.95,39.05) IC31.Y11@44.45,38.55 ; v1(44.95,28.05) IC31.K10@45.45,28.55 ; v1(44.95,29.05) IC31.L10@45.45,29.55 ; v1(44.95,30.05) IC31.M10@45.45,30.55 ; v1(44.95,31.05) IC31.N10@45.45,31.55 ; v1(45.95,21.05) IC31.C9@46.45,21.55 ; v2(45.95,23.05) IC31.E9@46.45,23.55 ; v1(45.95,27.05) IC31.J9@46.45,27.55 ; v1(45.95,34.05) IC31.R9@46.45,33.55 ; v1(45.95,39.05) IC31.Y9@46.45,38.55 ; v1(46.95,33.05) IC31.P8@47.45,32.55 ; v1(48.95,41.05) IC31.AB6@49.45,40.55 ; v1(49.95,21.05) IC31.C5@50.45,21.55 ; v2(49.95,24.05) IC31.F5@50.45,24.55 ; v2(49.95,36.05) IC31.U5@50.45,35.55 ; v1(49.95,39.05) IC31.Y5@50.45,38.55 ; v1(51.95,24.05) IC31.F3@52.45,24.55 ; v1(51.95,26.05) IC31.H3@52.45,26.55 ; v1(51.95,38.05) IC31.W3@52.45,37.55 ; IC31.D3@52.45,22.55 v2(52.95,22.05) ; IC31.L3@52.45,29.55 v2(52.95,29.05) ; IC31.N3@52.45,31.55 v1(52.95,31.05) ; IC31.R3@52.45,33.55 v2(52.95,34.05) ; IC31.U3@52.45,35.55 v2(52.95,35.05) ; v1(52.95,25.05) IC31.G2@53.45,25.55 ; v1(52.95,40.05) IC31.AA2@53.45,39.55 ; v1(53.95,19.05) IC31.A1@54.45,19.55 ; v1(53.95,41.05) IC31.AB1@54.45,40.55 ; v1(67.923,45.071) T7.2@68.489,44.505 ; T7.2@68.82,44.187 v1(69.386,43.621) ; v1(71.326,46.599) T5.4@71.817,46.828 ; v1(71.376,47.774) 71.813,46.837 T5.4@71.817,46.828 ; T5.4@71.492,47.527 71.813,46.837 T5.4@71.817,46.828 ; T5.4@72.135,46.146 T5.4@71.817,46.828 ; v1(72.251,45.899) T5.4@71.817,46.828 ; v1(72.339,47.072) 71.833,46.836 T5.4@71.817,46.828 ; v1(73.901,45.424) 74.331,44.502 T5.2@74.66,43.796 ; T5.2@74.017,45.202 74.341,44.507 v1(74.776,43.574) ; v1(75.939,11.176) 76.514,11.176 v1(77.089,11.176) ; v1(76.51,10.174) T2.6@76.51,11.244 ; v1(77.775,13.03) T2.2@77.775,14.1 ; T2.2@77.78,14.424 v1(77.78,15.494) ; T9.2@78.522,45.732 v1(78.522,46.532) ; v1(78.53,44.473) T9.2@78.53,45.273 ; v1(84.398,46.683) 84.473,46.758 84.473,47.276 T8.2@84.796,47.599 ; T6.2@86.878,42.176 v1(87.62,42.918) ; T6.4@87.876,44.97 T6.4@88.229,45.323 ; v1(88.594,35.438) v1(90.619,35.438) ; v1(89.186,24.823) T1.2@90.255,24.823 v1(91.325,24.823) ; v1(92.366,23.553) T1.6@93.435,23.553 T1.6@93.439,23.557 ; v1(93.441,22.978) 93.441,23.553 v1(93.441,24.128) ; T1.6@93.442,23.549 T1.6@93.446,23.553